# Altium PCB PCB.PcbDoc (part 5 of 7) (continued)
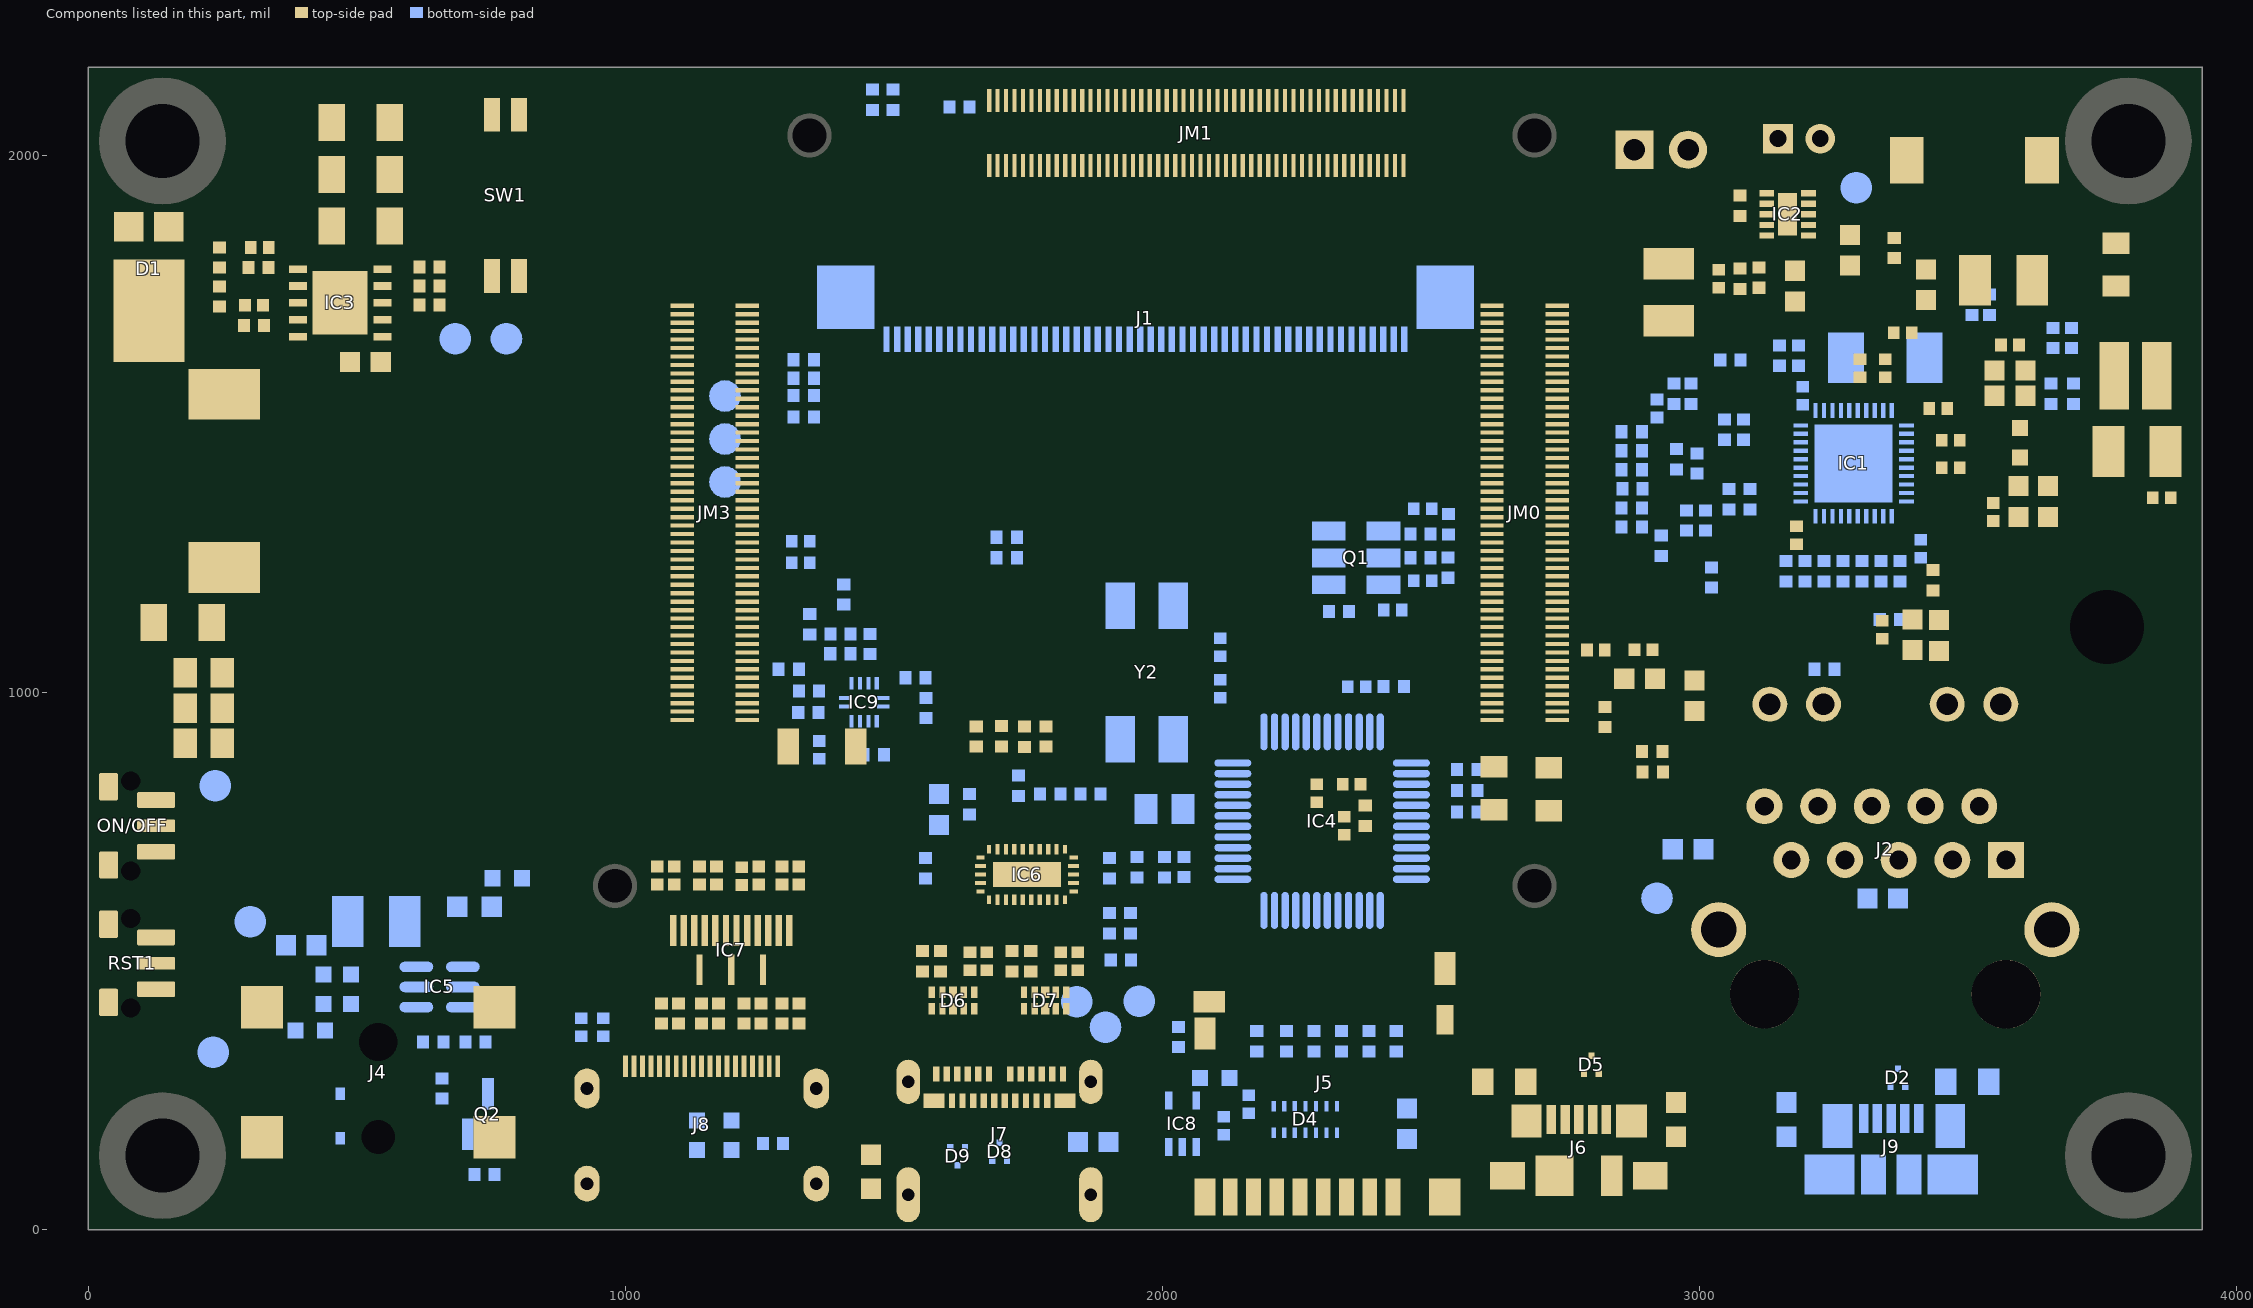
[diagram p9: the components of this part, seen from the top]
## Nets (pads, with @x,y where several pads share a name; then routed paths per layer and width w, separated by ;. In a path a pad name is that pad's centre, name@x,y a point inside that pad or via, vN(x,y) a via of type N, cw(c..) or ccw(c..) an arc to the next point about the centre after c; other vN are vias at no path point) (continued)
60.3,1482.93 ; 60.3,1485.82 60.3,1490.52 ; 60.3,1495.22 60.3,1499.92 ; 60.3,1503.17 60.3,1508.23 ; 60.3,1515.1 60.3,1536.79 ; 60.3,1543.29 60.3,1548.72 ; 60.3,1562.81 60.3,1586.31 ; 60.48,1135.84 60.48,1191.87 ; 60.48,1235.61 60.48,1291.64 ; 60.67,1370.86 60.67,1376.65 ; 60.67,1388.22 60.67,1393.64 ; 60.67,1399.42 60.67,1420.75 ; 60.67,1427.26 60.67,1433.04 ; 60.67,1446.78 60.67,1452.56 ; 60.67,1463.77 60.67,1469.55 ; 60.67,1477.86 60.67,1482.93 ; 60.67,1486.18 60.67,1490.88 ; 60.67,1495.22 60.67,1499.92 ; 60.67,1503.17 60.67,1508.23 ; 60.67,1515.46 60.67,1536.79 ; 60.67,1543.29 60.67,1548.72 ; 60.67,1562.81 60.67,1586.31 ; 60.84,1136.2 60.84,1191.87 ; 60.84,1235.61 60.84,1291.28 ; 61.03,1370.86 61.03,1376.65 ; 61.03,1388.22 61.03,1393.64 ; 61.03,1399.78 61.03,1420.75 ; 61.03,1427.26 61.03,1433.04 ; 61.03,1446.78 61.03,1452.2 ; 61.03,1464.13 61.03,1469.55 ; 61.03,1477.5 61.03,1482.93 ; 61.03,1486.18 61.03,1490.88 ; 61.03,1495.22 61.03,1499.92 ; 61.03,1503.17 61.03,1508.23 ; 61.03,1515.46 61.03,1536.79 ; 61.03,1543.29 61.03,1548.72 ; 61.03,1562.81 61.03,1586.31 ; 61.2,1136.2 61.2,1192.23 ; 61.2,1235.25 61.2,1291.28 ; 61.39,1370.86 61.39,1376.65 ; 61.39,1388.22 61.39,1393.64 ; 61.39,1400.14 61.39,1420.75 ; 61.39,1427.26 61.39,1433.04 ; 61.39,1446.78 61.39,1452.2 ; 61.39,1464.13 61.39,1469.55 ; 61.39,1477.5 61.39,1482.56 ; 61.39,1486.18 61.39,1490.88 ; 61.39,1494.85 61.39,1499.92 ; 61.39,1503.17 61.39,1508.59 ; 61.39,1515.82 61.39,1536.79 ; 61.39,1543.29 61.39,1548.72 ; 61.39,1562.81 61.39,1586.31 ; 61.56,1136.56 61.56,1192.23 ; 61.56,1235.25 61.56,1290.92 ; 61.75,1370.86 61.75,1376.65 ; 61.75,1388.22 61.75,1393.64 ; 61.75,1400.14 61.75,1420.75 ; 61.75,1427.26 61.75,1433.04 ; 61.75,1446.78 61.75,1452.2 ; 61.75,1464.13 61.75,1469.55 ; 61.75,1477.5 61.75,1482.56 ; 61.75,1486.54 61.75,1491.24 ; 61.75,1494.85 61.75,1499.55 ; 61.75,1503.53 61.75,1508.59 ; 61.75,1516.18 61.75,1536.79 ; 61.75,1543.29 61.75,1548.72 ; 61.75,1562.81 61.75,1585.95 ; 61.92,1136.93 61.92,1192.6 ; 61.92,1234.89 61.92,1290.56 ; 62.11,1370.86 62.11,1376.65 ; 62.11,1388.22 62.11,1393.64 ; 62.11,1400.87 62.11,1420.75 ; 62.11,1427.26 62.11,1433.04 ; 62.11,1446.78 62.11,1452.2 ; 62.11,1464.13 62.11,1469.55 ; 62.11,1477.14 62.11,1482.56 ; 62.11,1486.54 62.11,1491.24 ; 62.11,1494.85 62.11,1499.55 ; 62.11,1503.53 62.11,1508.59 ; 62.11,1516.54 62.11,1536.79 ; 62.11,1543.29 62.11,1548.72 ; 62.11,1562.81 62.11,1586.31 ; 62.28,1136.93 62.28,1192.6 ; 62.28,1234.89 62.28,1290.56 ; 62.47,1370.86 62.47,1376.65 ; 62.47,1388.22 62.47,1393.64 ; 62.47,1401.23 62.47,1420.75 ; 62.47,1427.26 62.47,1433.04 ; 62.47,1446.78 62.47,1452.2 ; 62.47,1464.13 62.47,1469.55 ; 62.47,1477.14 62.47,1482.56 ; 62.47,1486.54 62.47,1491.24 ; 62.47,1494.85 62.47,1499.55 ; 62.47,1503.53 62.47,1508.95 ; 62.47,1517.27 62.47,1536.79 ; 62.47,1543.29 62.47,1548.72 ; 62.47,1562.81 62.47,1586.31 ; 62.64,1137.29 62.64,1192.6 ; 62.64,1234.89 62.64,1290.2 ; 62.83,1370.86 62.83,1376.65 ; 62.83,1388.22 62.83,1393.64 ; 62.83,1401.59 62.83,1420.75 ; 62.83,1427.26 62.83,1433.04 ; 62.83,1446.78 62.83,1452.2 ; 62.83,1463.77 62.83,1469.55 ; 62.83,1477.14 62.83,1482.2 ; 62.83,1486.9 62.83,1491.24 ; 62.83,1494.49 62.83,1499.19 ; 62.83,1503.53 62.83,1508.95 ; 62.83,1517.63 62.83,1536.79 ; 62.83,1543.29 62.83,1548.72 ; 62.83,1562.81 62.83,1586.31 ; 63.01,1137.65 63.01,1192.96 ; 63.01,1234.53 63.01,1289.84 ; 63.2,1370.86 63.2,1376.65 ; 63.2,1388.22 63.2,1393.64 ; 63.2,1402.31 63.2,1420.75 ; 63.2,1427.26 63.2,1433.04 ; 63.2,1446.78 63.2,1452.56 ; 63.2,1463.77 63.2,1469.55 ; 63.2,1477.14 63.2,1482.2 ; 63.2,1486.9 63.2,1491.6 ; 63.2,1494.49 63.2,1499.19 ; 63.2,1503.89 63.2,1508.95 ; 63.2,1518.35 63.2,1536.79 ; 63.2,1543.29 63.2,1548.72 ; 63.2,1562.81 63.2,1586.31 ; 63.37,1137.65 63.37,1192.96 ; 63.37,1234.53 63.37,1289.84 ; 63.56,1370.86 63.56,1376.65 ; 63.56,1388.22 63.56,1393.64 ; 63.56,1403.04 63.56,1420.75 ; 63.56,1427.26 63.56,1433.04 ; 63.56,1446.78 63.56,1452.56 ; 63.56,1463.77 63.56,1469.55 ; 63.56,1476.78 63.56,1482.2 ; 63.56,1486.9 63.56,1491.6 ; 63.56,1494.49 63.56,1499.19 ; 63.56,1503.89 63.56,1509.31 ; 63.56,1519.07 63.56,1536.79 ; 63.56,1543.29 63.56,1548.72 ; 63.56,1562.81 63.56,1586.31 ; 63.73,1138.01 63.73,1193.32 ; 63.73,1234.17 63.73,1289.47 ; 63.92,1370.86 63.92,1376.65 ; 63.92,1388.22 63.92,1393.64 ; 63.92,1404.48 63.92,1420.75 ; 63.92,1427.26 63.92,1433.04 ; 63.92,1446.78 63.92,1452.56 ; 63.92,1463.77 63.92,1469.55 ; 63.92,1476.78 63.92,1481.84 ; 63.92,1487.26 63.92,1491.6 ; 63.92,1494.13 63.92,1498.83 ; 63.92,1503.89 63.92,1509.31 ; 63.92,1520.52 63.92,1536.79 ; 63.92,1543.29 63.92,1548.72 ; 63.92,1562.81 63.92,1586.31 ; 64.09,1138.37 64.09,1193.32 ; 64.09,1234.17 64.09,1289.11 ; 64.28,1370.86 64.28,1376.65 ; 64.28,1388.22 64.28,1393.64 ; 64.28,1414.97 64.28,1420.75 ; 64.28,1427.26 64.28,1433.04 ; 64.28,1446.78 64.28,1452.56 ; 64.28,1463.77 64.28,1469.55 ; 64.28,1476.78 64.28,1481.84 ; 64.28,1487.26 64.28,1491.96 ; 64.28,1494.13 64.28,1498.83 ; 64.28,1504.25 64.28,1509.31 ; 64.28,1531 64.28,1536.79 ; 64.28,1543.29 64.28,1548.72 ; 64.28,1562.81 64.28,1568.24 ; 64.28,1580.53 64.28,1585.95 ; 64.45,1138.37 64.45,1193.32 ; 64.45,1234.17 64.45,1289.11 ; 64.64,1370.86 64.64,1376.65 ; 64.64,1388.22 64.64,1393.64 ; 64.64,1415.33 64.64,1420.75 ; 64.64,1427.26 64.64,1433.04 ; 64.64,1446.78 64.64,1452.56 ; 64.64,1463.77 64.64,1469.55 ; 64.64,1476.42 64.64,1481.84 ; 64.64,1487.26 64.64,1491.96 ; 64.64,1494.13 64.64,1498.83 ; 64.64,1504.25 64.64,1509.68 ; 64.64,1531.37 64.64,1536.79 ; 64.64,1543.29 64.64,1548.72 ; 64.64,1562.81 64.64,1568.24 ; 64.64,1580.53 64.64,1585.95 ; 64.81,1138.73 64.81,1193.68 ; 64.81,1233.81 64.81,1288.75 ; 65,1370.86 65,1376.65 ; 65,1388.22 65,1393.64 ; 65,1415.33 65,1420.75 ; 65,1427.26 65,1433.04 ; 65,1446.78 65,1452.56 ; 65,1463.77 65,1469.55 ; 65,1476.42 65,1481.84 ; 65,1487.26 65,1491.96 ; 65,1493.77 65,1498.47 ; 65,1504.25 65,1509.68 ; 65,1531.37 65,1536.79 ; 65,1543.29 65,1548.72 ; 65,1563.18 65,1568.24 ; 65,1580.53 65,1585.95 ; 65.17,1139.09 65.17,1193.68 ; 65.17,1233.81 65.17,1288.39 ; 65.37,1370.86 65.37,1376.65 ; 65.37,1388.22 65.37,1393.64 ; 65.37,1415.33 65.37,1420.75 ; 65.37,1427.26 65.37,1433.04 ; 65.37,1446.78 65.37,1452.56 ; 65.37,1463.77 65.37,1469.55 ; 65.37,1476.42 65.37,1481.48 ; 65.37,1487.62 65.37,1492.32 ; 65.37,1493.77 65.37,1498.47 ; 65.37,1504.25 65.37,1509.68 ; 65.37,1531.37 65.37,1536.79 ; 65.37,1543.29 65.37,1548.72 ; 65.37,1563.18 65.37,1568.24 ; 65.37,1580.53 65.37,1585.95 ; 65.54,1139.09 65.54,1194.04 ; 65.54,1233.44 65.54,1288.39 ; 65.73,1370.86 65.73,1376.65 ; 65.73,1387.85 65.73,1393.64 ; 65.73,1415.33 65.73,1420.75 ; 65.73,1427.26 65.73,1433.04 ; 65.73,1446.78 65.73,1452.56 ; 65.73,1463.77 65.73,1469.55 ; 65.73,1476.06 65.73,1481.48 ; 65.73,1487.62 65.73,1492.32 ; 65.73,1493.77 65.73,1498.47 ; 65.73,1504.61 65.73,1509.68 ; 65.73,1531.37 65.73,1536.79 ; 65.73,1543.29 65.73,1548.72 ; 65.73,1563.18 65.73,1568.24 ; 65.73,1580.53 65.73,1585.95 ; 65.9,1139.46 65.9,1194.04 ; 65.9,1233.44 65.9,1288.03 ; 66.09,1370.86 66.09,1376.65 ; 66.09,1387.85 66.09,1393.64 ; 66.09,1415.33 66.09,1420.75 ; 66.09,1427.26 66.09,1433.04 ; 66.09,1446.78 66.09,1452.56 ; 66.09,1463.77 66.09,1469.55 ; 66.09,1476.06 66.09,1481.48 ; 66.09,1487.62 66.09,1492.32 ; 66.09,1493.77 66.09,1498.11 ; 66.09,1504.61 66.09,1510.04 ; 66.09,1531.37 66.09,1536.79 ; 66.09,1543.29 66.09,1549.08 ; 66.09,1563.18 66.09,1568.6 ; 66.09,1580.53 66.09,1585.95 ; 66.26,1139.82 66.26,1194.04 ; 66.26,1233.44 66.26,1287.67 ; 66.45,1370.86 66.45,1376.65 ; 66.45,1387.85 66.45,1393.64 ; 66.45,1415.33 66.45,1420.75 ; 66.45,1427.26 66.45,1433.04 ; 66.45,1447.14 66.45,1452.56 ; 66.45,1463.77 66.45,1469.55 ; 66.45,1476.06 66.45,1481.48 ; 66.45,1487.99 66.45,1492.32 ; 66.45,1493.41 66.45,1498.11 ; 66.45,1504.61 66.45,1510.04 ; 66.45,1531.37 66.45,1536.79 ; 66.45,1543.29 66.45,1549.08 ; 66.45,1563.18 66.45,1568.6 ; 66.45,1580.17 66.45,1585.95 ; 66.62,1140.18 66.62,1194.4 ; 66.62,1233.08 66.62,1287.31 ; 66.81,1370.86 66.81,1377.01 ; 66.81,1387.85 66.81,1393.64 ; 66.81,1415.33 66.81,1420.75 ; 66.81,1427.26 66.81,1433.04 ; 66.81,1447.14 66.81,1452.92 ; 66.81,1463.4 66.81,1469.55 ; 66.81,1475.7 66.81,1481.12 ; 66.81,1487.99 66.81,1492.69 ; 66.81,1493.41 66.81,1498.11 ; 66.81,1504.61 66.81,1510.04 ; 66.81,1531.37 66.81,1536.79 ; 66.81,1543.29 66.81,1549.08 ; 66.81,1563.18 66.81,1568.6 ; 66.81,1580.17 66.81,1585.95 ; 66.98,1140.18 66.98,1194.4 ; 66.98,1233.08 66.98,1287.31 ; 67.17,1370.86 67.17,1377.01 ; 67.17,1387.85 67.17,1393.64 ; 67.17,1415.33 67.17,1420.75 ; 67.17,1427.26 67.17,1433.4 ; 67.17,1447.14 67.17,1452.92 ; 67.17,1463.4 67.17,1469.55 ; 67.17,1475.7 67.17,1481.12 ; 67.17,1487.99 67.17,1492.69 ; 67.17,1493.41 67.17,1497.75 ; 67.17,1504.98 67.17,1510.4 ; 67.17,1531.37 67.17,1536.79 ; 67.17,1543.29 67.17,1549.08 ; 67.17,1563.54 67.17,1568.6 ; 67.17,1580.17 67.17,1585.95 ; 67.34,1140.54 67.34,1194.76 ; 67.34,1232.72 67.34,1286.94 ; 67.53,1370.86 67.53,1377.01 ; 67.53,1387.49 67.53,1393.64 ; 67.53,1415.33 67.53,1420.75 ; 67.53,1427.26 67.53,1433.4 ; 67.53,1447.14 67.53,1452.92 ; 67.53,1463.4 67.53,1469.55 ; 67.53,1475.7 67.53,1481.12 ; 67.53,1488.35 67.53,1492.69 ; 67.53,1493.05 67.53,1497.75 ; 67.53,1504.98 67.53,1510.4 ; 67.53,1531.37 67.53,1536.79 ; 67.53,1543.29 67.53,1549.44 ; 67.53,1563.54 67.53,1568.96 ; 67.53,1579.8 67.53,1585.59 ; 67.71,1140.9 67.71,1194.76 ; 67.71,1232.72 67.71,1286.58 ; 67.9,1370.86 67.9,1377.37 ; 67.9,1387.49 67.9,1393.64 ; 67.9,1415.33 67.9,1420.75 ; 67.9,1427.26 67.9,1433.76 ; 67.9,1447.14 67.9,1453.28 ; 67.9,1463.04 67.9,1469.55 ; 67.9,1475.33 67.9,1480.76 ; 67.9,1488.35 67.9,1497.75 ; 67.9,1504.98 67.9,1510.4 ; 67.9,1531 67.9,1536.79 ; 67.9,1543.29 67.9,1549.44 ; 67.9,1563.54 67.9,1568.96 ; 67.9,1579.8 67.9,1585.59 ; 68.07,1140.9 68.07,1195.13 ; 68.07,1232.36 68.07,1286.58 ; 68.26,1370.86 68.26,1377.37 ; 68.26,1387.13 68.26,1393.28 ; 68.26,1415.33 68.26,1420.75 ; 68.26,1427.26 68.26,1433.76 ; 68.26,1447.14 68.26,1453.28 ; 68.26,1463.04 68.26,1469.55 ; 68.26,1475.33 68.26,1480.76 ; 68.26,1488.35 68.26,1497.39 ; 68.26,1505.34 68.26,1510.76 ; 68.26,1531 68.26,1536.43 ; 68.26,1543.29 68.26,1549.8 ; 68.26,1563.54 68.26,1569.32 ; 68.26,1579.44 68.26,1585.59 ; 68.43,1141.26 68.43,1195.13 ; 68.43,1232.36 68.43,1286.22 ; 68.62,1370.86 68.62,1377.73 ; 68.62,1386.77 68.62,1393.28 ; 68.62,1414.97 68.62,1420.75 ; 68.62,1427.26 68.62,1434.12 ; 68.62,1447.14 68.62,1453.64 ; 68.62,1462.68 68.62,1469.55 ; 68.62,1475.33 68.62,1480.76 ; 68.62,1488.71 68.62,1497.39 ; 68.62,1505.34 68.62,1510.76 ; 68.62,1531 68.62,1536.43 ; 68.62,1543.29 68.62,1549.8 ; 68.62,1563.9 68.62,1569.32 ; 68.62,1579.44 68.62,1585.59 ; 68.79,1141.63 68.79,1195.13 ; 68.79,1232.36 68.79,1285.86 ; 68.98,1370.86 68.98,1378.09 ; 68.98,1386.77 68.98,1393.28 ; 68.98,1414.97 68.98,1420.75 ; 68.98,1427.26 68.98,1434.49 ; 68.98,1447.14 68.98,1453.64 ; 68.98,1462.32 68.98,1469.55 ; 68.98,1474.97 68.98,1480.76 ; 68.98,1488.71 68.98,1497.39 ; 68.98,1505.34 68.98,1510.76 ; 68.98,1531 68.98,1536.43 ; 68.98,1543.29 68.98,1550.16 ; 68.98,1563.9 68.98,1569.68 ; 68.98,1579.08 68.98,1585.23 ; 69.15,1141.63 69.15,1195.49 ; 69.15,1232 69.15,1285.86 ; 69.34,1370.86 69.34,1378.45 ; 69.34,1386.41 69.34,1393.28 ; 69.34,1403.4 69.34,1404.12 ; 69.34,1414.6 69.34,1420.39 ; 69.34,1427.26 69.34,1434.49 ; 69.34,1447.5 69.34,1454.01 ; 69.34,1462.32 69.34,1469.55 ; 69.34,1474.97 69.34,1480.39 ; 69.34,1488.71 69.34,1497.02 ; 69.34,1505.34 69.34,1511.12 ; 69.34,1519.44 69.34,1520.16 ; 69.34,1530.64 69.34,1536.43 ; 69.34,1543.29 69.34,1550.52 ; 69.34,1564.26 69.34,1570.04 ; 69.34,1578.72 69.34,1585.23 ; 69.51,1141.99 69.51,1195.49 ; 69.51,1232 69.51,1285.5 ; 69.7,1370.86 69.7,1378.82 ; 69.7,1385.68 69.7,1393.28 ; 69.7,1403.04 69.7,1404.48 ; 69.7,1414.6 69.7,1420.39 ; 69.7,1427.26 69.7,1435.21 ; 69.7,1442.08 69.7,1442.44 ; 69.7,1447.5 69.7,1454.37 ; 69.7,1461.6 69.7,1469.55 ; 69.7,1474.97 69.7,1480.39 ; 69.7,1489.07 69.7,1497.02 ; 69.7,1505.7 69.7,1511.12 ; 69.7,1518.71 69.7,1520.16 ; 69.7,1530.64 69.7,1536.43 ; 69.7,1543.29 69.7,1550.89 ; 69.7,1557.75 69.7,1558.48 ; 69.7,1564.26 69.7,1570.41 ; 69.7,1578.36 69.7,1584.87 ; 69.87,1142.35 69.87,1195.85 ; 69.87,1231.64 69.87,1285.14 ; 70.06,1370.86 70.06,1379.18 ; 70.06,1385.32 70.06,1392.91 ; 70.06,1402.31 70.06,1404.84 ; 70.06,1414.24 70.06,1420.39 ; 70.06,1427.26 70.06,1435.57 ; 70.06,1441.35 70.06,1442.8 ; 70.06,1447.5 70.06,1455.09 ; 70.06,1461.24 70.06,1469.55 ; 70.06,1474.61 70.06,1480.39 ; 70.06,1489.07 70.06,1497.02 ; 70.06,1505.7 70.06,1511.12 ; 70.06,1518.35 70.06,1520.52 ; 70.06,1529.92 70.06,1536.43 ; 70.06,1543.29 70.06,1551.61 ; 70.06,1557.39 70.06,1558.84 ; 70.06,1564.62 70.06,1570.77 ; 70.06,1578 70.06,1584.87 ; 70.24,1142.35 70.24,1195.85 ; 70.24,1231.64 70.24,1285.14 ; 70.43,1370.86 70.43,1379.9 ; 70.43,1384.6 70.43,1392.91 ; 70.43,1401.95 70.43,1405.21 ; 70.43,1413.52 70.43,1420.39 ; 70.43,1427.26 70.43,1436.29 ; 70.43,1440.63 70.43,1443.16 ; 70.43,1447.5 70.43,1455.81 ; 70.43,1460.51 70.43,1469.55 ; 70.43,1474.61 70.43,1480.39 ; 70.43,1489.07 70.43,1496.66 ; 70.43,1505.7 70.43,1511.48 ; 70.43,1517.99 70.43,1521.24 ; 70.43,1529.56 70.43,1536.06 ; 70.43,1543.29 70.43,1552.33 ; 70.43,1556.67 70.43,1559.2 ; 70.43,1564.62 70.43,1571.49 ; 70.43,1577.27 70.43,1584.5 ; 70.6,1142.71 70.6,1195.85 ; 70.6,1231.64 70.6,1284.78 ; 70.79,1370.86 70.79,1381.71 ; 70.79,1383.15 70.79,1392.91 ; 70.79,1401.59 70.79,1406.29 ; 70.79,1412.43 70.79,1420.03 ; 70.79,1427.26 70.79,1438.1 ; 70.79,1439.19 70.79,1443.52 ; 70.79,1447.86 70.79,1457.62 ; 70.79,1458.71 70.79,1469.55 ; 70.79,1474.61 70.79,1480.03 ; 70.79,1489.43 70.79,1496.66 ; 70.79,1505.7 70.79,1511.48 ; 70.79,1517.27 70.79,1521.97 ; 70.79,1528.47 70.79,1536.06 ; 70.79,1543.29 70.79,1553.78 ; 70.79,1555.22 70.79,1559.56 ; 70.79,1564.98 70.79,1572.21 ; 70.79,1576.55 70.79,1584.5 ; 70.96,1143.07 70.96,1196.21 ; 70.96,1231.27 70.96,1284.41 ; 71.15,1370.86 71.15,1392.55 ; 71.15,1400.87 71.15,1408.82 ; 71.15,1409.54 71.15,1420.03 ; 71.15,1427.26 71.15,1443.88 ; 71.15,1447.86 71.15,1469.55 ; 71.15,1474.61 71.15,1480.03 ; 71.15,1489.43 71.15,1496.66 ; 71.15,1506.06 71.15,1511.48 ; 71.15,1516.91 71.15,1524.5 ; 71.15,1525.58 71.15,1536.06 ; 71.15,1543.29 71.15,1559.56 ; 71.15,1564.98 71.15,1574.02 ; 71.15,1574.74 71.15,1584.14 ; 71.32,1143.07 71.32,1196.21 ; 71.32,1231.27 71.32,1284.41 ; 71.51,1370.86 71.51,1392.19 ; 71.51,1400.51 71.51,1420.03 ; 71.51,1427.26 71.51,1444.25 ; 71.51,1448.22 71.51,1469.55 ; 71.51,1474.25 71.51,1480.03 ; 71.51,1489.43 71.51,1496.3 ; 71.51,1506.06 71.51,1511.84 ; 71.51,1516.54 71.51,1535.7 ; 71.51,1543.29 71.51,1559.92 ; 71.51,1565.35 71.51,1584.14 ; 71.68,1143.43 71.68,1196.57 ; 71.68,1230.91 71.68,1284.05 ; 71.87,1370.86 71.87,1392.19 ; 71.87,1400.14 71.87,1419.66 ; 71.87,1427.26 71.87,1444.25 ; 71.87,1448.22 71.87,1469.55 ; 71.87,1474.25 71.87,1479.67 ; 71.87,1489.79 71.87,1496.3 ; 71.87,1506.06 71.87,1511.84 ; 71.87,1515.82 71.87,1535.7 ; 71.87,1543.29 71.87,1560.28 ; 71.87,1565.71 71.87,1583.78 ; 72.04,1143.43 72.04,1196.57 ; 72.04,1230.91 72.04,1284.05 ; 72.23,1370.86 72.23,1391.83 ; 72.23,1399.42 72.23,1419.3 ; 72.23,1427.26 72.23,1444.61 ; 72.23,1448.58 72.23,1469.55 ; 72.23,1474.25 72.23,1479.67 ; 72.23,1489.79 72.23,1496.3 ; 72.23,1506.42 72.23,1511.84 ; 72.23,1515.46 72.23,1535.34 ; 72.23,1543.29 72.23,1560.65 ; 72.23,1565.71 72.23,1583.42 ; 72.4,1143.43 72.4,1196.93 ; 72.4,1230.55 72.4,1284.05 ; 72.59,1370.86 72.59,1391.83 ; 72.59,1399.78 72.59,1419.3 ; 72.59,1427.26 72.59,1444.97 ; 72.59,1448.95 72.59,1469.55 ; 72.59,1473.89 72.59,1479.67 ; 72.59,1489.79 72.59,1495.94 ; 72.59,1506.42 72.59,1512.21 ; 72.59,1515.82 72.59,1534.98 ; 72.59,1543.29 72.59,1561.01 ; 72.59,1566.07 72.59,1583.06 ; 72.77,1143.43 72.77,1196.93 ; 72.77,1230.55 72.77,1284.05 ; 72.96,1370.86 72.96,1391.47 ; 72.96,1400.14 72.96,1418.94 ; 72.96,1427.26 72.96,1445.33 ; 72.96,1448.95 72.96,1469.55 ; 72.96,1473.89 72.96,1479.67 ; 72.96,1490.16 72.96,1495.94 ; 72.96,1506.42 72.96,1512.21 ; 72.96,1515.82 72.96,1534.98 ; 72.96,1543.29 72.96,1561.37 ; 72.96,1566.43 72.96,1582.7 ; 73.13,1143.43 73.13,1196.93 ; 73.13,1230.55 73.13,1284.05 ; 73.32,1370.86 73.32,1376.65 ; 73.32,1377.01 73.32,1391.11 ; 73.32,1400.14 73.32,1418.58 ; 73.32,1427.26 73.32,1433.04 ; 73.32,1433.4 73.32,1445.69 ; 73.32,1449.31 73.32,1463.4 ; 73.32,1464.13 73.32,1469.55 ; 73.32,1473.89 73.32,1479.31 ; 73.32,1490.16 73.32,1495.94 ; 73.32,1506.42 73.32,1512.21 ; 73.32,1516.18 73.32,1534.62 ; 73.32,1543.29 73.32,1548.72 ; 73.32,1549.44 73.32,1561.37 ; 73.32,1566.79 73.32,1582.34 ; 73.49,1143.07 73.49,1197.29 ; 73.49,1230.19 73.49,1284.41 ; 73.68,1370.86 73.68,1376.65 ; 73.68,1377.37 73.68,1390.75 ; 73.68,1400.87 73.68,1418.22 ; 73.68,1427.26 73.68,1433.04 ; 73.68,1433.76 73.68,1446.05 ; 73.68,1449.67 73.68,1463.04 ; 73.68,1464.13 73.68,1469.55 ; 73.68,1473.53 73.68,1479.31 ; 73.68,1490.16 73.68,1495.94 ; 73.68,1506.78 73.68,1512.57 ; 73.68,1516.54 73.68,1534.26 ; 73.68,1543.29 73.68,1548.72 ; 73.68,1549.8 73.68,1561.73 ; 73.68,1567.15 73.68,1581.97 ; 73.85,1143.07 73.85,1197.29 ; 73.85,1230.19 73.85,1284.41 ; 74.04,1370.86 74.04,1376.65 ; 74.04,1377.73 74.04,1390.38 ; 74.04,1401.23 74.04,1417.86 ; 74.04,1427.26 74.04,1433.04 ; 74.04,1434.12 74.04,1446.05 ; 74.04,1450.03 74.04,1462.68 ; 74.04,1464.13 74.04,1469.55 ; 74.04,1473.53 74.04,1479.31 ; 74.04,1490.52 74.04,1495.58 ; 74.04,1506.78 74.04,1512.57 ; 74.04,1516.91 74.04,1533.9 ; 74.04,1543.29 74.04,1548.72 ; 74.04,1550.16 74.04,1562.09 ; 74.04,1567.51 74.04,1581.61 ; 74.21,1142.71 74.21,1197.66 ; 74.21,1229.83 74.21,1284.78 ; 74.4,1370.86 74.4,1376.65 ; 74.4,1378.09 74.4,1389.66 ; 74.4,1401.59 74.4,1417.5 ; 74.4,1427.26 74.4,1433.04 ; 74.4,1434.49 74.4,1446.05 ; 74.4,1450.75 74.4,1461.96 ; 74.4,1464.13 74.4,1469.55 ; 74.4,1473.53 74.4,1479.31 ; 74.4,1490.52 74.4,1495.58 ; 74.4,1506.78 74.4,1512.57 ; 74.4,1517.63 74.4,1533.17 ; 74.4,1543.29 74.4,1548.72 ; 74.4,1550.52 74.4,1562.09 ; 74.4,1567.88 74.4,1580.89 ; 74.57,1142.71 74.57,1197.66 ; 74.57,1229.83 74.57,1284.78 ; 74.76,1370.86 74.76,1376.65 ; 74.76,1378.82 74.76,1389.3 ; 74.76,1402.31 74.76,1416.77 ; 74.76,1427.26 74.76,1433.04 ; 74.76,1435.21 74.76,1445.69 ; 74.76,1451.11 74.76,1461.6 ; 74.76,1464.13 74.76,1469.55 ; 74.76,1473.17 74.76,1478.95 ; 74.76,1490.52 74.76,1495.58 ; 74.76,1506.78 74.76,1512.57 ; 74.76,1517.99 74.76,1532.45 ; 74.76,1543.29 74.76,1548.72 ; 74.76,1551.25 74.76,1561.73 ; 74.76,1568.6 74.76,1580.53 ; 74.93,1142.71 74.93,1197.66 ; 74.93,1229.83 74.93,1284.78 ; 75.13,1370.86 75.13,1376.65 ; 75.13,1379.54 75.13,1388.58 ; 75.13,1402.67 75.13,1416.05 ; 75.13,1427.26 75.13,1433.04 ; 75.13,1435.93 75.13,1444.97 ; 75.13,1451.84 75.13,1460.87 ; 75.13,1464.13 75.13,1469.55 ; 75.13,1473.17 75.13,1478.95 ; 75.13,1490.88 75.13,1495.22 ; 75.13,1507.15 75.13,1512.93 ; 75.13,1518.71 75.13,1532.09 ; 75.13,1543.29 75.13,1548.72 ; 75.13,1551.61 75.13,1561.01 ; 75.13,1569.32 75.13,1579.8 ; 75.3,1142.35 75.3,1198.02 ; 75.3,1229.47 75.3,1285.14 ; 75.49,1370.86 75.49,1376.65 ; 75.49,1379.9 75.49,1387.85 ; 75.49,1403.76 75.49,1414.97 ; 75.49,1427.26 75.49,1433.04 ; 75.49,1436.29 75.49,1444.25 ; 75.49,1452.56 75.49,1460.15 ; 75.49,1464.13 75.49,1469.55 ; 75.49,1473.17 75.49,1478.95 ; 75.49,1490.88 75.49,1495.22 ; 75.49,1507.15 75.49,1512.93 ; 75.49,1519.44 75.49,1531 ; 75.49,1543.29 75.49,1548.72 ; 75.49,1552.33 75.49,1560.28 ; 75.49,1570.04 75.49,1579.08 ; 75.66,1142.35 75.66,1198.02 ; 75.66,1229.47 75.66,1285.14 ; 75.85,1370.86 75.85,1376.65 ; 75.85,1380.99 75.85,1387.13 ; 75.85,1404.84 75.85,1413.88 ; 75.85,1427.26 75.85,1433.04 ; 75.85,1437.38 75.85,1443.52 ; 75.85,1453.28 75.85,1459.07 ; 75.85,1464.13 75.85,1469.55 ; 75.85,1472.8 75.85,1478.59 ; 75.85,1490.88 75.85,1495.22 ; 75.85,1507.15 75.85,1512.93 ; 75.85,1520.88 75.85,1529.92 ; 75.85,1543.29 75.85,1548.72 ; 75.85,1553.42 75.85,1559.2 ; 75.85,1571.13 75.85,1577.64 ; 76.02,1141.99 76.02,1198.38 ; 76.02,1229.11 76.02,1285.5 ; 76.21,1370.86 76.21,1376.65 ; 76.21,1382.79 76.21,1385.68 ; 76.21,1407.01 76.21,1411.71 ; 76.21,1439.19 76.21,1442.08 ; 76.21,1455.09 76.21,1457.62 ; 76.21,1464.13 76.21,1469.55 ; 76.21,1523.05 76.21,1527.75 ; 76.21,1555.22 76.21,1558.12 ; 76.21,1572.94 76.21,1575.83 ; 76.38,1141.99 76.38,1198.38 ; 76.38,1229.11 76.38,1285.5 ; 76.57,1370.86 76.57,1376.65 ; 76.57,1464.13 76.57,1469.55 ; 76.74,1141.99 76.74,1198.38 ; 76.74,1229.11 76.74,1285.5 ; 76.93,1370.86 76.93,1376.65 ; 76.93,1464.13 76.93,1469.55 ; 77.1,1141.63 77.1,1198.74 ; 77.1,1228.74 77.1,1285.86 ; 77.29,1370.86 77.29,1376.65 ; 77.29,1464.13 77.29,1469.55 ; 77.47,1141.63 77.47,1198.74 ; 77.47,1228.74 77.47,1285.86 ; 77.66,1370.86 77.66,1376.65 ; 77.66,1464.13 77.66,1469.55 ; 77.83,1141.26 77.83,1199.1 ; 77.83,1228.38 77.83,1286.22 ; 78.02,1370.86 78.02,1376.65 ; 78.02,1464.13 78.02,1469.55 ; 78.19,1141.26 78.19,1199.1 ; 78.19,1228.38 78.19,1286.22 ; 78.38,1370.86 78.38,1376.65 ; 78.38,1464.13 78.38,1469.55 ; 78.55,1141.26 78.55,1199.46 ; 78.55,1228.02 78.55,1286.22 ; 78.74,1370.86 78.74,1376.65 ; 78.74,1464.13 78.74,1469.55 ; 78.91,1140.9 78.91,1199.46 ; 78.91,1228.02 78.91,1286.58 ; 79.1,1370.86 79.1,1376.65 ; 79.1,1464.13 79.1,1469.55 ; 79.27,1140.9 79.27,1199.46 ; 79.27,1228.02 79.27,1286.58 ; 79.46,1370.86 79.46,1376.65 ; 79.46,1464.13 79.46,1469.55 ; 79.63,1140.54 79.63,1199.83 ; 79.63,1227.66 79.63,1286.94 ; 79.82,1370.86 79.82,1376.65 ; 79.82,1464.13 79.82,1469.55 ; 80,1140.54 80,1199.83 ; 80,1227.66 80,1286.94 ; 80.19,1370.86 80.19,1376.65 ; 80.19,1464.13 80.19,1469.55 ; 80.36,1140.54 80.36,1200.19 ; 80.36,1227.3 80.36,1286.94 ; 80.55,1370.86 80.55,1376.65 ; 80.55,1464.13 80.55,1469.55 ; 80.72,1140.18 80.72,1200.19 ; 80.72,1227.3 80.72,1287.31 ; 80.91,1370.86 80.91,1376.65 ; 80.91,1464.13 80.91,1469.55 ; 81.08,1140.18 81.08,1200.19 ; 81.08,1227.3 81.08,1287.31 ; 81.27,1370.86 81.27,1376.65 ; 81.27,1464.13 81.27,1469.55 ; 81.44,1139.82 81.44,1200.55 ; 81.44,1226.94 81.44,1287.67 ; 81.63,1370.86 81.63,1376.65 ; 81.63,1464.13 81.63,1469.55 ; 81.8,1139.82 81.8,1200.55 ; 81.8,1226.94 81.8,1287.67 ; 81.99,1370.86 81.99,1376.65 ; 81.99,1464.13 81.99,1469.55 ; 82.16,1139.82 82.16,1200.91 ; 82.16,1226.58 82.16,1287.67 ; 82.36,1370.86 82.36,1376.65 ; 82.36,1464.13 82.36,1469.55 ; 82.53,1139.46 82.53,1200.91 ; 82.53,1226.58 82.53,1288.03 ; 82.72,1370.86 82.72,1376.65 ; 82.72,1464.13 82.72,1469.55 ; 82.89,1139.46 82.89,1201.27 ; 82.89,1226.21 82.89,1288.03 ; 83.08,1370.86 83.08,1376.65 ; 83.08,1464.13 83.08,1469.55 ; 83.25,1139.09 83.25,1201.27 ; 83.25,1226.21 83.25,1288.39 ; 83.44,1370.86 83.44,1376.65 ; 83.44,1464.13 83.44,1469.55 ; 83.61,1139.09 83.61,1201.27 ; 83.61,1226.21 83.61,1288.39 ; 83.8,1370.86 83.8,1376.65 ; 83.8,1464.13 83.8,1469.55 ; 83.97,1139.09 83.97,1201.63 ; 83.97,1225.85 83.97,1288.39 ; 84.16,1370.86 84.16,1376.65 ; 84.16,1464.13 84.16,1469.55 ; 84.33,1138.73 84.33,1201.63 ; 84.33,1225.85 84.33,1288.75 ; 84.52,1370.86 84.52,1376.65 ; 84.52,1464.13 84.52,1469.55 ; 84.7,1138.73 84.7,1201.99 ; 84.7,1225.49 84.7,1288.75 ; 84.89,1370.86 84.89,1376.65 ; 84.89,1464.13 84.89,1469.55 ; 85.06,1138.37 85.06,1201.99 ; 85.06,1225.49 85.06,1289.11 ; 85.25,1370.86 85.25,1376.65 ; 85.25,1464.13 85.25,1469.55 ; 85.42,1138.37 85.42,1201.99 ; 85.42,1225.49 85.42,1289.11 ; 85.61,1370.86 85.61,1376.65 ; 85.61,1464.13 85.61,1469.55 ; 85.78,1138.37 85.78,1201.63 ; 85.78,1225.85 85.78,1289.11 ; 85.97,1370.86 85.97,1376.65 ; 85.97,1464.13 85.97,1469.55 ; 86.14,1138.01 86.14,1201.27 ; 86.14,1226.21 86.14,1289.47 ; 86.33,1370.86 86.33,1376.65 ; 86.33,1464.13 86.33,1469.55 ; 86.5,1138.01 86.5,1200.91 ; 86.5,1226.58 86.5,1289.47 ; 86.69,1370.86 86.69,1376.65 ; 86.69,1464.13 86.69,1469.55 ; 86.86,1137.65 86.86,1200.19 ; 86.86,1227.3 86.86,1289.84 ; 87.05,1370.86 87.05,1376.65 ; 87.05,1464.13 87.05,1469.55 ; 87.23,1137.65 87.23,1199.83 ; 87.23,1227.66 87.23,1289.84 ; 87.42,1370.86 87.42,1376.65 ; 87.42,1464.13 87.42,1469.55 ; 87.59,1137.65 87.59,1199.1 ; 87.59,1228.38 87.59,1289.84 ; 87.78,1370.86 87.78,1376.65 ; 87.95,1137.29 87.95,1198.74 ; 87.95,1228.74 87.95,1290.2 ; 88.14,1370.86 88.14,1376.65 ; 88.31,1137.29 88.31,1198.02 ; 88.31,1229.47 88.31,1290.2 ; 88.5,1370.86 88.5,1376.65 ; 88.67,1136.93 88.67,1197.66 ; 88.67,1229.83 88.67,1290.56 ; 88.86,1370.86 88.86,1376.65 ; 89.03,1136.93 89.03,1197.29 ; 89.03,1230.19 89.03,1290.56 ; 89.22,1370.86 89.22,1376.65 ; 89.39,1136.93 89.39,1196.57 ; 89.39,1230.91 89.39,1290.56 ; 89.59,1370.86 89.59,1376.65 ; 89.76,1136.56 89.76,1196.21 ; 89.76,1231.27 89.76,1290.92 ; 89.95,1370.86 89.95,1376.65 ; 90.12,1136.56 90.12,1195.85 ; 90.12,1231.64 90.12,1290.92 ; 90.31,1370.86 90.31,1376.65 ; 90.48,1136.2 90.48,1195.13 ; 90.48,1232.36 90.48,1291.28 ; 90.67,1370.86 90.67,1376.65 ; 90.84,1136.2 90.84,1194.76 ; 90.84,1232.72 90.84,1291.28 ; 91.03,1370.86 91.03,1376.65 ; 91.2,1136.2 91.2,1194.4 ; 91.2,1233.08 91.2,1291.28 ; 91.39,1370.86 91.39,1376.65 ; 91.56,1135.84 91.56,1194.04 ; 91.56,1233.44 91.56,1291.64 ; 91.75,1370.86 91.75,1376.65 ; 91.93,1135.84 91.93,1193.68 ; 91.93,1233.81 91.93,1291.64 ; 92.12,1370.86 92.12,1376.65 ; 92.29,1135.48 92.29,1193.32 ; 92.29,1234.17 92.29,1292.01 ; 92.48,1370.86 92.48,1376.65 ; 92.65,1135.48 92.65,1192.6 ; 92.65,1234.89 92.65,1292.01 ; 92.84,1351.7 92.84,1356.77 ; 92.84,1370.86 92.84,1376.65 ; 92.84,1381.71 92.84,1386.41 ; 92.84,1407.37 92.84,1413.16 ; 92.84,1474.25 92.84,1480.39 ; 92.84,1501.72 92.84,1506.78 ; 92.84,1528.47 92.84,1533.17 ; 92.84,1579.08 92.84,1584.5 ; 92.84,1603.66 92.84,1609.45 ; 93.01,1135.48 93.01,1192.23 ; 93.01,1235.25 93.01,1292.01 ; 93.2,1350.26 93.2,1357.85 ; 93.2,1370.86 93.2,1376.65 ; 93.2,1380.99 93.2,1387.49 ; 93.2,1405.93 93.2,1414.6 ; 93.2,1426.53 93.2,1431.96 ; 93.2,1443.52 93.2,1448.95 ; 93.2,1472.8 93.2,1482.2 ; 93.2,1500.28 93.2,1508.23 ; 93.2,1527.39 93.2,1534.26 ; 93.2,1538.23 93.2,1544.02 ; 93.2,1550.52 93.2,1555.95 ; 93.2,1578 93.2,1585.95 ; 93.2,1601.86 93.2,1610.53 ; 93.37,1135.12 93.37,1191.87 ; 93.37,1235.61 93.37,1292.37 ; 93.56,1349.17 93.56,1358.93 ; 93.56,1370.86 93.56,1376.65 ; 93.56,1379.9 93.56,1388.58 ; 93.56,1405.21 93.56,1415.69 ; 93.56,1426.53 93.56,1431.96 ; 93.56,1443.52 93.56,1448.95 ; 93.56,1471.72 93.56,1483.29 ; 93.56,1499.55 93.56,1509.31 ; 93.56,1526.67 93.56,1534.98 ; 93.56,1538.23 93.56,1544.02 ; 93.56,1550.52 93.56,1555.95 ; 93.56,1576.91 93.56,1586.67 ; 93.56,1601.13 93.56,1611.62 ; 93.73,1134.76 93.73,1191.51 ; 93.73,1235.97 93.73,1292.73 ; 93.92,1348.45 93.92,1359.66 ; 93.92,1370.86 93.92,1376.65 ; 93.92,1379.54 93.92,1388.94 ; 93.92,1404.12 93.92,1416.41 ; 93.92,1426.53 93.92,1431.96 ; 93.92,1443.52 93.92,1448.95 ; 93.92,1470.63 93.92,1484.01 ; 93.92,1498.47 93.92,1510.04 ; 93.92,1525.94 93.92,1535.7 ; 93.92,1538.23 93.92,1544.02 ; 93.92,1550.52 93.92,1555.95 ; 93.92,1576.19 93.92,1587.76 ; 93.92,1600.41 93.92,1612.34 ; 94.09,1134.76 94.09,1191.51 ; 94.09,1235.97 94.09,1292.73 ; 94.28,1347.73 94.28,1360.38 ; 94.28,1370.86 94.28,1376.65 ; 94.28,1378.82 94.28,1389.66 ; 94.28,1403.4 94.28,1417.13 ; 94.28,1426.53 94.28,1431.96 ; 94.28,1443.52 94.28,1448.95 ; 94.28,1469.91 94.28,1484.73 ; 94.28,1498.11 94.28,1510.76 ; 94.28,1525.22 94.28,1536.43 ; 94.28,1538.23 94.28,1544.02 ; 94.28,1550.52 94.28,1555.95 ; 94.28,1575.47 94.28,1588.12 ; 94.28,1599.69 94.28,1613.06 ; 94.46,1134.03 94.46,1191.15 ; 94.46,1236.34 94.46,1293.45 ; 94.65,1347.37 94.65,1361.1 ; 94.65,1370.86 94.65,1376.65 ; 94.65,1378.09 94.65,1390.02 ; 94.65,1403.04 94.65,1417.5 ; 94.65,1426.53 94.65,1431.96 ; 94.65,1443.52 94.65,1448.95 ; 94.65,1469.19 94.65,1485.46 ; 94.65,1497.39 94.65,1511.12 ; 94.65,1524.86 94.65,1536.79 ; 94.65,1538.23 94.65,1544.02 ; 94.65,1550.52 94.65,1555.95 ; 94.65,1574.74 94.65,1588.84 ; 94.65,1598.96 94.65,1613.78 ; 94.82,1132.59 94.82,1190.79 ; 94.82,1236.7 94.82,1294.9 ; 95.01,1346.64 95.01,1361.46 ; 95.01,1370.86 95.01,1376.65 ; 95.01,1377.73 95.01,1390.38 ; 95.01,1402.31 95.01,1418.22 ; 95.01,1426.53 95.01,1431.96 ; 95.01,1443.52 95.01,1448.95 ; 95.01,1468.47 95.01,1485.82 ; 95.01,1497.02 95.01,1511.84 ; 95.01,1524.5 95.01,1537.15 ; 95.01,1538.23 95.01,1544.02